# KiCad board EBAZ4205.kicad_pcb (continued)
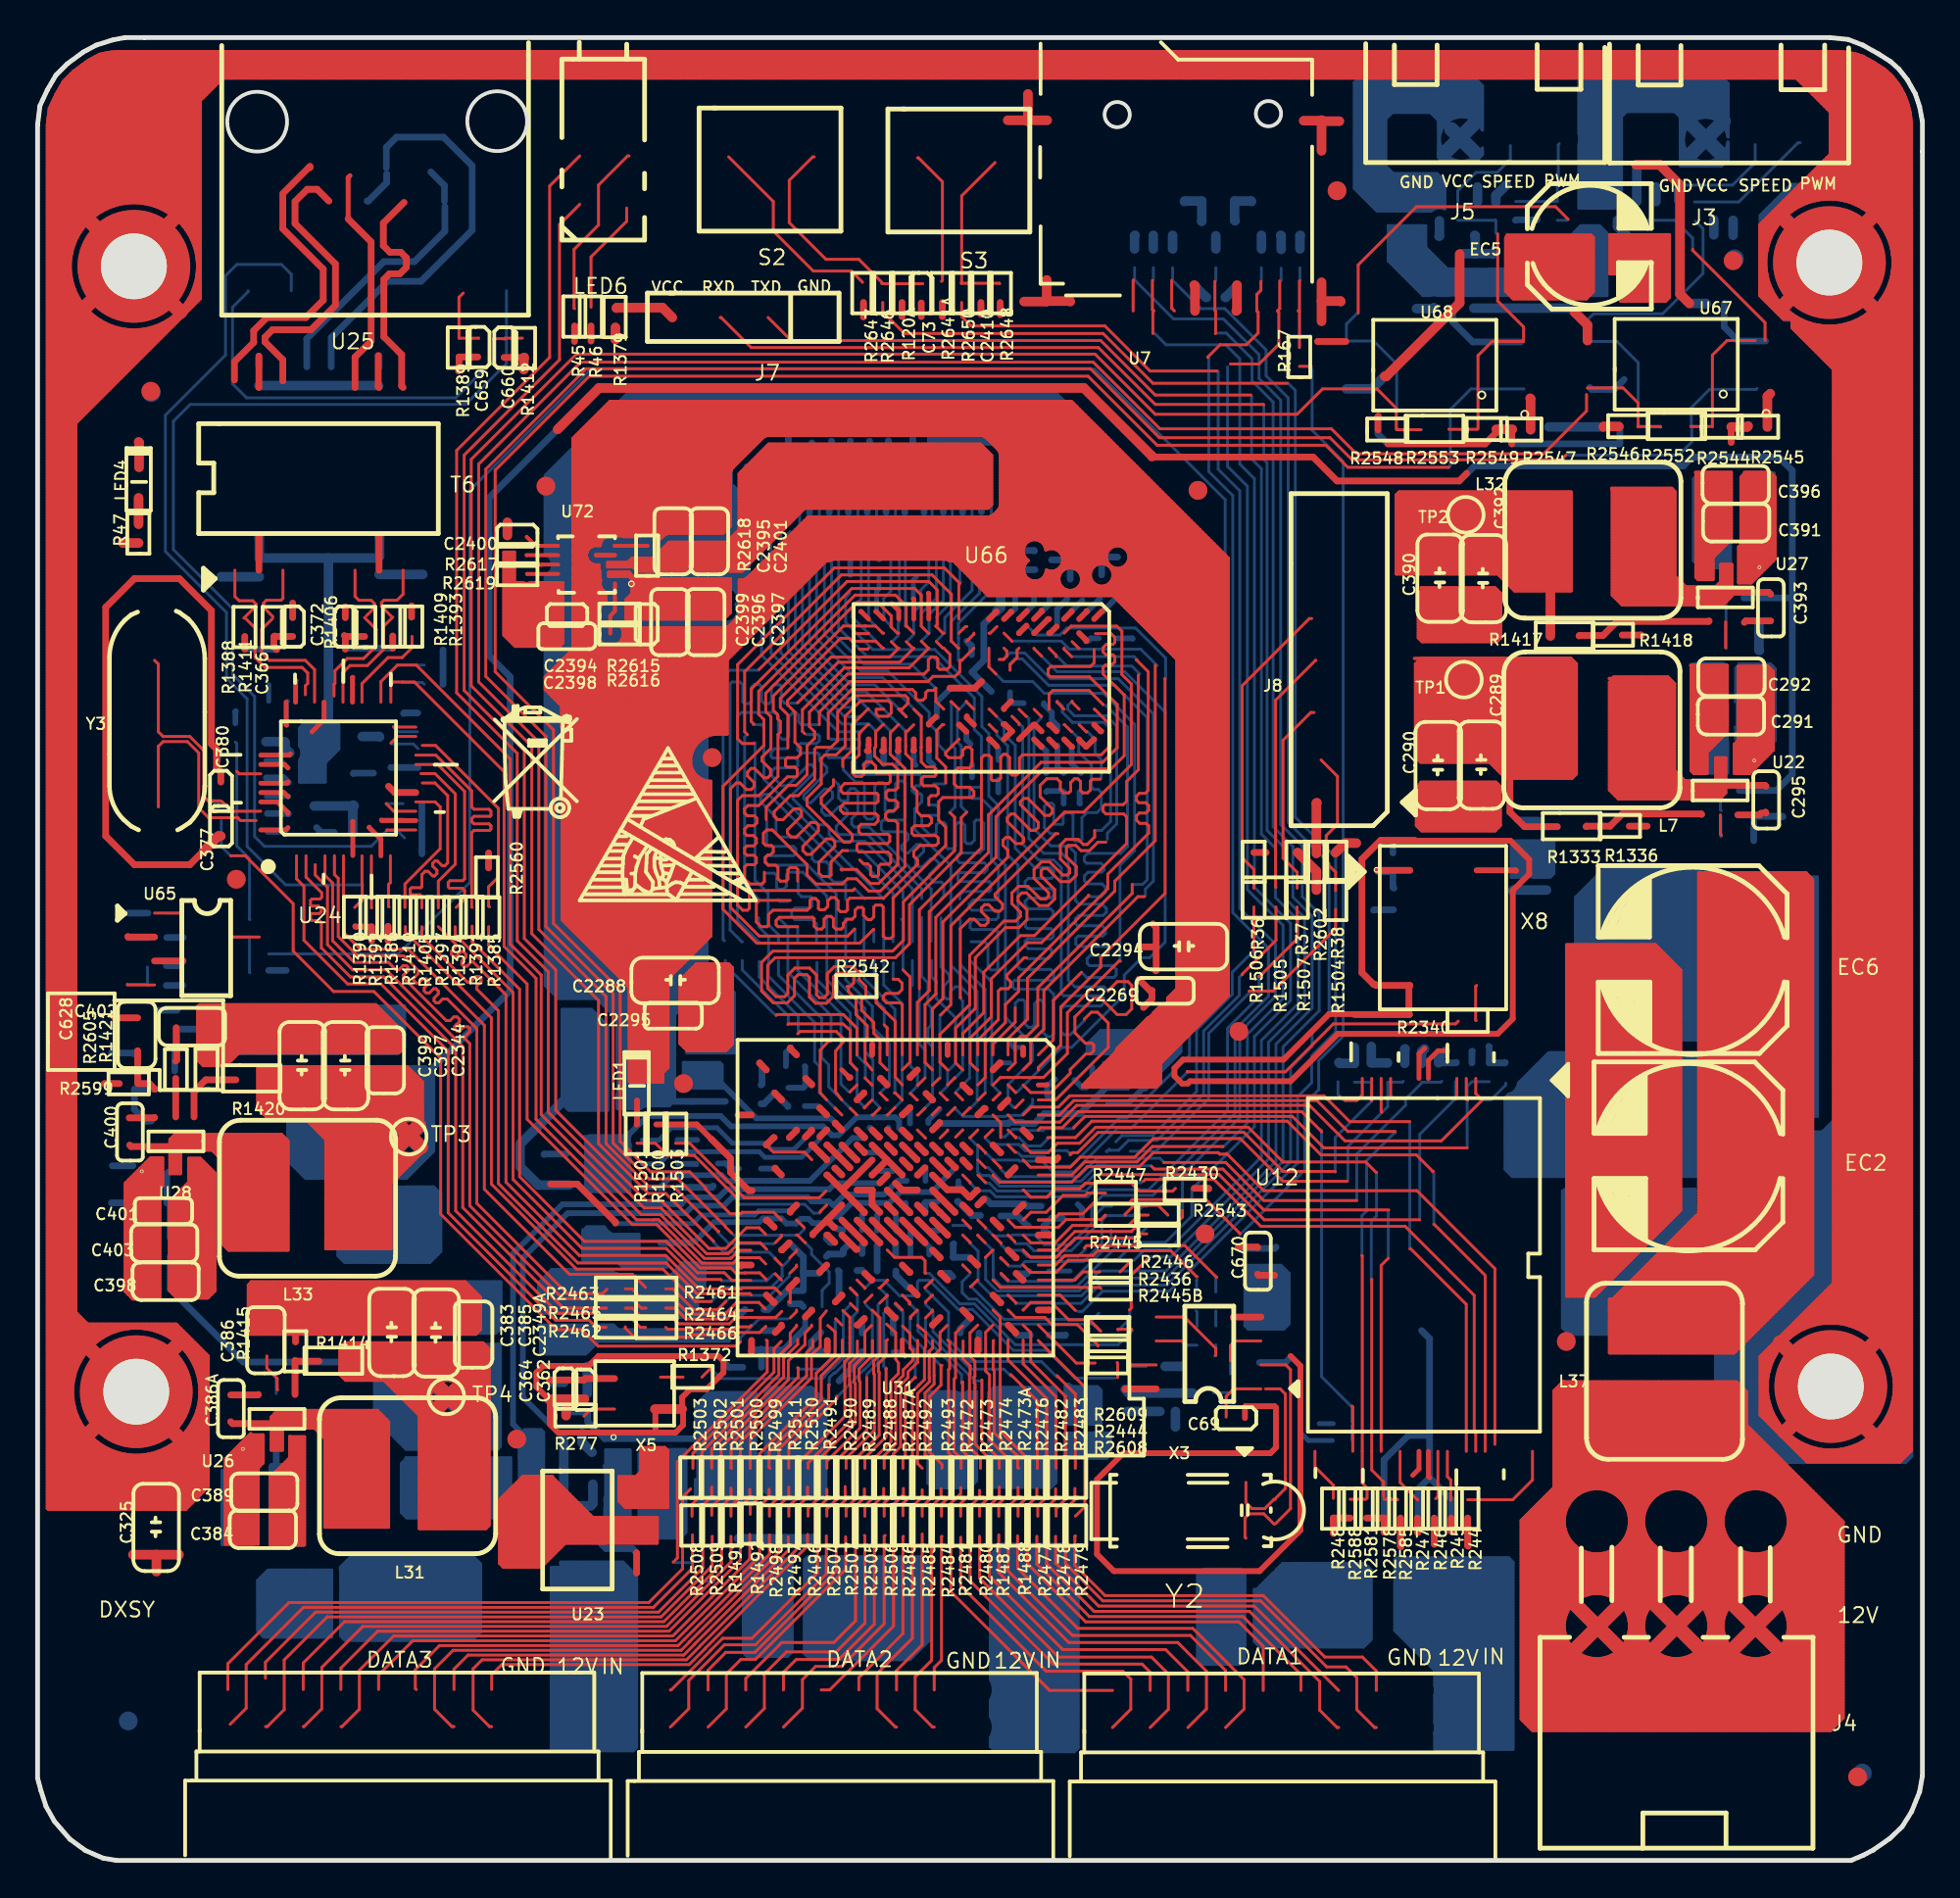
[diagram p0: board, top side]
## Routing (per net, layer and track width the routed paths; a pad name or vN(x,y) marks a point on that pad's centre or on a via; arc(x,y) is an arc through that point) (continued)
99.7,34.72 ; 95.58,59.71 99.7,59.71 ; 1.65,18.69 1.65,94.96 ; 95.58,39.44 99.7,39.44 ; 96.92,88.06 99.7,88.06 ; 8.35,85.9 8.35,96.27 ; 93.91,81.05 99.7,81.05 ; 39.29,94.87 39.29,96.27 ; 13.23,94.87 13.23,96.27 ; 78,94.87 78,96.27 ; 93.72,89.12 99.7,89.12 ; 96.13,21.22 96.13,21.91 ; 26.33,94.87 26.33,96.27 ; 98.4,23.59 99.7,23.59 ; 91.65,85.01 91.96,85.01 ; 6.24,88.06 8.65,88.06 ; 91.65,85.77 92.03,85.77 ; 95.58,34.87 99.7,34.87 ; 0.52,60.78 2.02,60.78 ; 6.34,28.16 7.75,28.16 ; 25.88,94.87 25.88,96.27 ; 97.2,28.12 97.2,82.21 ; 0.52,81.2 6.72,81.2 ; 92.11,23.29 92.64,23.29 ; 95.58,38.53 99.7,38.53 ; 0.52,79.83 5.35,79.83 ; 0.52,34.41 2.02,34.41 ; 90.19,94.87 90.19,96.27 ; 0.52,78.15 3.67,78.15 ; 95.58,48.28 99.7,48.28 ; 95.58,49.35 99.7,49.35 ; 95.58,68.55 99.7,68.55 ; 95.58,76.47 99.7,76.47 ; 49.8,94.87 49.8,96.27 ; 0.52,31.97 2.02,31.97 ; 10.79,94.87 10.79,96.27 ; 85.62,94.87 85.62,96.27 ; 7.44,87.33 7.44,96.27 ; 14.75,94.87 14.75,96.27 ; 56.97,94.87 56.97,96.27 ; 99.18,21.3 99.18,94.28 ; 93.7,21.7 93.7,22.31 ; 0.52,72.05 2.02,72.05 ; 21.76,94.87 21.76,96.27 ; 24.05,94.87 24.05,96.27 ; 0.52,75.1 2.02,75.1 ; 8.51,85.01 8.65,85.01 ; 23.44,94.87 23.44,96.27 ; 95.58,73.88 99.7,73.88 ; 87.6,94.87 87.6,96.27 ; 95.58,67.79 99.7,67.79 ; 16.58,94.87 16.58,96.27 ; 0.52,65.04 2.02,65.04 ; 0.52,90.95 8.65,90.95 ; 81.05,94.87 81.05,96.27 ; 40.81,94.87 40.81,96.27 ; 94.76,28.55 94.76,29.9 ; 7.98,86.69 8.65,86.69 ; 57.88,94.87 57.88,96.27 ; 0.52,28.77 2.42,28.77 ; 8.46,84.25 8.65,84.25 ; 4.39,78.87 4.39,81.54 ; 76.63,94.87 76.63,96.27 ; 0.52,46.15 2.02,46.15 ; 92.17,86.24 92.17,87.57 ; 86.68,94.87 86.68,96.27 ; 0.52,32.28 2.02,32.28 ; 0.52,24.96 1.86,24.96 ; 6.22,28.2 6.22,28.54 ; 0.52,23.29 2.29,23.29 ; 22.52,94.87 22.52,96.27 ; 97.96,21.22 97.96,22.97 ; 96.29,88.31 96.29,96.24 ; 71.6,94.87 71.6,96.27 ; 4.24,18.69 4.24,21.71 ; 31.21,94.87 31.21,96.27 ; 5.61,88.21 5.61,96.27 ; 0.52,23.59 2.14,23.59 ; 20.7,94.87 20.7,96.27 ; 8.59,24.35 9.07,24.35 ; 33.8,94.87 33.8,96.27 ; 0.52,65.2 2.02,65.2 ; 97.35,87.79 97.35,95.9 ; 0.52,57.42 2.02,57.42 ; 0.52,80.13 5.65,80.13 ; 95.58,72.66 99.7,72.66 ; 11.7,94.87 11.7,96.27 ; 95.4,91.87 99.7,91.87 ; 8.47,26.03 9.07,26.03 ; 98.73,84.7 99.7,84.7 ; 0.52,19.32 8.5,19.32 ; 0.52,63.98 2.02,63.98 ; 12.31,94.87 12.31,96.27 ; 23.13,94.87 23.13,96.27 ; 94.3,88.28 94.3,89.71 ; 2.71,77.19 2.71,82.46 ; 97.59,87.6 99.7,87.6 ; 94.32,94.15 99.25,94.15 ; 0.52,27.86 3.5,27.86 ; 95.58,64.43 99.7,64.43 ; 3.47,77.95 3.47,81.88 ; 91.68,25.73 92.07,25.73 ; 0.52,83.79 1.9,83.79 ; 55.44,94.87 55.44,96.27 ; 6.07,88.11 6.07,96.27 ; 0.91,93.85 8.82,93.85 ; 7.59,87.18 7.59,96.27 ; 7.13,27.77 7.13,28.54 ; 81.96,94.87 81.96,96.27 ; 46.45,94.87 46.45,96.27 ; 8.15,86.38 8.65,86.38 ; 61.23,94.87 61.23,96.27 ; 93.7,88.01 93.7,89.1 ; 95.58,76.32 99.7,76.32 ; 86.38,94.87 86.38,96.27 ; 73.73,94.87 73.73,96.27 ; 0.52,25.27 1.87,25.27 ; 6.37,28.15 6.37,28.54 ; 96.59,28.41 96.59,81.89 ; 0.52,91.71 8.65,91.71 ; 95.58,43.1 99.7,43.1 ; 0.52,67.48 2.02,67.48 ; 95.58,76.02 99.7,76.02 ; 4.69,88.22 4.69,96.27 ; 91.65,86.38 92.23,86.38 ; 8.35,26.33 9.07,26.33 ; 0.52,44.47 2.02,44.47 ; 94,94.48 94,96.27 ; 36.7,94.87 36.7,96.27 ; 19.63,94.87 19.63,96.27 ; 0.52,20.39 9.07,20.39 ; 7.89,18.72 7.89,22.82 ; 10.48,94.87 10.48,96.27 ; 0.52,90.8 8.65,90.8 ; 0.52,76.47 2.02,76.47 ; 27.86,94.87 27.86,96.27 ; 94.82,80.13 99.7,80.13 ; 0.52,44.62 2.02,44.62 ; 68.7,94.87 68.7,96.27 ; 95.58,50.11 99.7,50.11 ; 97.97,22.98 99.7,22.98 ; 0.52,62.76 2.02,62.76 ; 0.52,57.73 2.02,57.73 ; 95.58,72.82 99.7,72.82 ; 98.72,21.22 98.72,24.43 ; 3.78,87.97 3.78,96.23 ; 61.84,94.87 61.84,96.27 ; 3.17,27.63 3.17,28.54 ; 37.31,94.87 37.31,96.27 ; 0.52,28.16 4.16,28.16 ; 0.52,87.75 3.37,87.75 ; 95.58,40.81 99.7,40.81 ; 92.87,28.01 93.49,28.01 ; 57.12,94.87 57.12,96.27 ; 0.52,38.83 2.02,38.83 ; 80.13,94.87 80.13,96.27 ; 95.58,56.05 99.7,56.05 ; 81.66,94.87 81.66,96.27 ; 0.52,90.19 8.65,90.19 ; 0.52,58.8 2.02,58.8 ; 95.58,47.98 99.7,47.98 ; 83.79,94.87 83.79,96.27 ; 91.68,25.57 92.05,25.57 ; 93.45,81.5 99.7,81.5 ; 98.31,23.44 99.7,23.44 ; 95.58,35.17 99.7,35.17 ; 63.82,94.87 63.82,96.27 ; 95.58,32.89 99.7,32.89 ; 2.26,18.69 2.26,23.35 ; 0.59,92.93 8.65,92.93 ; 95.58,68.09 99.7,68.09 ; 2.74,95.83 97.48,95.83 ; 15.67,94.87 15.67,96.27 ; 0.52,23.9 2.02,23.9 ; 0.52,89.12 8.65,89.12 ; 41.73,94.87 41.73,96.27 ; 8.1,26.79 9.07,26.79 ; 26.79,94.87 26.79,96.27 ; 95.68,88.43 95.68,96.27 ; 93.37,81.81 94.35,81.81 ; 3.17,87.62 3.17,96.06 ; 4.39,28.23 4.39,28.54 ; 7.6,27.4 8.51,27.4 ; 0.52,29.69 2.02,29.69 ; 3.17,18.69 3.17,22.27 ; 95.58,64.13 99.7,64.13 ; 2.56,87.07 2.56,95.7 ; 0.52,25.88 1.99,25.88 ; 8.61,25.42 9.07,25.42 ; 7.76,86.99 8.65,86.99 ; 0.52,77.24 2.76,77.24 ; 95.58,38.07 99.7,38.07 ; 93.85,88.09 93.85,89.25 ; 3.17,77.65 3.17,82.08 ; 74.95,94.87 74.95,96.27 ; 95.52,21.22 95.52,21.83 ; 0.52,29.84 2.02,29.84 ; 95.58,53.16 99.7,53.16 ; 50.41,94.87 50.41,96.27 ; 0.52,54.83 2.02,54.83 ; 94.46,88.32 94.46,89.86 ; 70.99,94.87 70.99,96.27 ; 95.58,48.89 99.7,48.89 ; 8.35,82.83 8.35,83.8 ; 0.52,21.92 3.73,21.92 ; 97.05,28.21 97.05,82.11 ; 0.52,53.46 2.02,53.46 ; 0.52,88.82 8.65,88.82 ; 0.52,61.39 2.02,61.39 ; 8.51,25.88 9.07,25.88 ; 0.52,35.33 2.02,35.33 ; 4.85,18.69 4.85,21.58 ; 59.41,94.87 59.41,96.27 ; 98.72,26.03 99.7,26.03 ; 0.52,46.3 2.02,46.3 ; 97.57,27.86 99.7,27.86 ; 51.94,94.87 51.94,96.27 ; 92.66,88.06 93.78,88.06 ; 20.09,94.87 20.09,96.27 ; 0.52,52.24 2.02,52.24 ; 0.52,55.14 2.02,55.14 ; 52.39,94.87 52.39,96.27 ; 15.82,94.87 15.82,96.27 ; 93.57,88.97 99.7,88.97 ; 33.65,94.87 33.65,96.27 ; 98.66,24.2 99.7,24.2 ; 0.52,55.29 2.02,55.29 ; 8.56,24.2 9.07,24.2 ; 70.38,94.87 70.38,96.27 ; 8.36,23.59 9.07,23.59 ; 8,26.94 8.97,26.94 ; 45.69,94.87 45.69,96.27 ; 95.58,71.9 99.7,71.9 ; 24.66,94.87 24.66,96.27 ; 0.52,39.44 2.02,39.44 ; 95.58,31.21 99.7,31.21 ; 0.52,19.78 8.96,19.78 ; 48.58,94.87 48.58,96.27 ; 0.52,68.55 2.02,68.55 ; 80.59,94.87 80.59,96.27 ; 0.56,92.63 8.65,92.63 ; 0.52,40.05 2.02,40.05 ; 53,94.87 53,96.27 ; 5.3,28.34 5.3,28.54 ; 3.93,28.08 3.93,28.54 ; 0.52,33.5 2.02,33.5 ; 1.8,18.69 1.8,84.18 ; 70.53,94.87 70.53,96.27 ; 0.52,65.5 2.02,65.5 ; 73.88,94.87 73.88,96.27 ; 49.5,94.87 49.5,96.27 ; 95.58,74.95 99.7,74.95 ; 98.57,26.5 98.57,83.98 ; 5.15,79.63 5.15,81.46 ; 82.42,94.87 82.42,96.27 ; 8.29,23.44 9.07,23.44 ; 0.52,34.26 2.02,34.26 ; 4.69,28.3 4.69,28.54 ; 8.05,82.53 8.05,83.12 ; 0.52,48.59 2.02,48.59 ; 7.88,27.1 8.82,27.1 ; 0.52,25.12 1.86,25.12 ; 0.52,72.66 2.02,72.66 ; 95.58,36.24 99.7,36.24 ; 90.34,94.87 90.34,96.27 ; 42.18,94.87 42.18,96.27 ; 0.52,42.79 2.02,42.79 ; 91.68,24.96 92.04,24.96 ; 52.55,94.87 52.55,96.27 ; 97.05,87.99 97.05,96.06 ; 8.66,19.48 8.66,27.26 ; 27.25,94.87 27.25,96.27 ; 22.68,94.87 22.68,96.27 ; 66.11,94.87 66.11,96.27 ; 0.52,24.51 1.89,24.51 ; 95.58,58.64 99.7,58.64 ; 94,80.95 94,81.94 ; 97.36,28.01 99.7,28.01 ; 92.26,27.4 92.82,27.4 ; 45.38,94.87 45.38,96.27 ; 0.52,63.83 2.02,63.83 ; 95.58,77.69 99.7,77.69 ; 32.89,94.87 32.89,96.27 ; 93.54,81.41 93.54,82.18 ; 58.95,94.87 58.95,96.27 ; 82.27,94.87 82.27,96.27 ; 8.48,23.9 9.07,23.9 ; 7.9,22.83 9.07,22.83 ; 10.94,94.87 10.94,96.27 ; 40.51,94.87 40.51,96.27 ; 0.52,92.32 8.65,92.32 ; 44.93,94.87 44.93,96.27 ; 8.41,26.18 9.07,26.18 ; 0.52,53.92 2.02,53.92 ; 95.4,92.78 99.67,92.78 ; 68.55,94.87 68.55,96.27 ; 83.64,94.87 83.64,96.27 ; 0.52,64.13 2.02,64.13 ; 91.68,25.42 92.04,25.42 ; 95.58,49.8 99.7,49.8 ; 0.52,69.16 2.02,69.16 ; 71.75,94.87 71.75,96.27 ; 95.58,44.62 99.7,44.62 ; 85.77,94.87 85.77,96.27 ; 91.68,26.49 92.27,26.49 ; 50.26,94.87 50.26,96.27 ; 89.28,94.87 89.28,96.27 ; 95.58,61.08 99.7,61.08 ; 94.76,21.22 94.76,21.9 ; 98.44,26.79 99.7,26.79 ; 95.58,46.91 99.7,46.91 ; 76.93,94.87 76.93,96.27 ; 0.52,22.83 2.6,22.83 ; 0.52,43.4 2.02,43.4 ; 95.37,21.22 95.37,21.83 ; 6.83,87.79 6.83,96.27 ; 93.09,22.31 93.09,22.77 ; 95.58,52.24 99.7,52.24 ; 38.07,94.87 38.07,96.27 ; 94.85,29.99 99.7,29.99 ; 2.41,26.8 2.41,28.78 ; 8.34,85.92 8.65,85.92 ; 95.58,72.05 99.7,72.05 ; 16.28,94.87 16.28,96.27 ; 6.83,18.69 6.83,21.95 ; 97.67,82.57 99.7,82.57 ; 95.58,35.02 99.7,35.02 ; 26.49,94.87 26.49,96.27 ; 2.86,18.69 2.86,22.54 ; 38.68,94.87 38.68,96.27 ; 0.52,83.64 1.96,83.64 ; 91.65,83.48 92.34,83.48 ; 95.58,78.3 99.7,78.3 ; 14.29,94.87 14.29,96.27 ; 0.52,69.46 2.02,69.46 ; 78.61,94.87 78.61,96.27 ; 92.56,27.71 93.11,27.71 ; 98.23,86.84 99.7,86.84 ; 2.1,26.22 2.1,29.09 ; 1.45,94.76 9.73,94.76 ; 7.13,87.59 7.13,96.27 ; 95.58,46.3 99.7,46.3 ; 91.65,85.16 91.96,85.16 ; 72.66,94.87 72.66,96.27 ; 0.52,55.44 2.02,55.44 ; 6.98,81.46 6.98,82.01 ; 59.86,94.87 59.86,96.27 ; 62.91,94.87 62.91,96.27 ; 95.58,40.36 99.7,40.36 ; 95.58,39.59 99.7,39.59 ; 98.88,21.22 98.88,94.73 ; 93.78,21.61 99.49,21.61 ; 21,94.87 21,96.27 ; 7.44,27.55 7.44,28.48 ; 91.68,26.64 92.34,26.64 ; 93.37,81.96 93.95,81.96 ; 91.89,87.29 92.8,87.29 ; 0.52,21.61 4.65,21.61 ; 0.52,68.85 2.02,68.85 ; 96.9,88.07 96.9,96.1 ; 82.87,94.87 82.87,96.27 ; 7.63,87.14 8.65,87.14 ; 0.52,34.11 2.02,34.11 ; 95.58,65.2 99.7,65.2 ; 95.58,53.31 99.7,53.31 ; 97.82,82.72 99.7,82.72 ; 0.52,28.93 2.27,28.93 ; 5.91,28.28 5.91,28.54 ; 0.52,43.1 2.02,43.1 ; 91.68,24.81 92.06,24.81 ; 1.25,94.46 9.43,94.46 ; 40.36,94.87 40.36,96.27 ; 97.35,28.02 97.35,82.31 ; 42.49,94.87 42.49,96.27 ; 0.52,47.06 2.02,47.06 ; 75.71,94.87 75.71,96.27 ; 91.68,23.74 92.37,23.74 ; 98.53,86.23 99.7,86.23 ; 45.99,94.87 45.99,96.27 ; 2.1,86.39 2.1,95.37 ; 97.96,27.48 97.96,82.88 ; 92.35,87.75 93.3,87.75 ; 92.32,26.6 92.32,27.46 ; 0.52,51.48 2.02,51.48 ; 78.46,94.87 78.46,96.27 ; 93.54,28.05 93.54,28.68 ; 95.58,79.22 99.7,79.22 ; 91.68,25.27 92.03,25.27 ; 0.52,86.38 2.1,86.38 ; 65.65,94.87 65.65,96.27 ; 98.21,23.29 99.7,23.29 ; 57.42,94.87 57.42,96.27 ; 2.1,18.69 2.1,23.68 ; 4.37,96.27 95.75,96.27 ; 55.9,94.87 55.9,96.27 ; 97.9,87.29 99.7,87.29 ; 6.98,27.87 6.98,28.54 ; 94.03,89.43 99.7,89.43 ; 8.81,93.84 8.81,96.27 ; 0.52,77.85 3.37,77.85 ; 8.5,82.98 8.5,84.53 ; 94.17,94.3 99.17,94.3 ; 54.38,94.87 54.38,96.27 ; 95.98,21.22 95.98,21.88 ; 25.57,94.87 25.57,96.27 ; 0.52,81.66 3.98,81.66 ; 95.58,71.6 99.7,71.6 ; 56.05,94.87 56.05,96.27 ; 54.83,94.87 54.83,96.27 ; 95.07,88.43 95.07,90.47 ; 93.6,81.35 99.7,81.35 ; 0.52,81.05 6.57,81.05 ; 95.58,79.07 99.7,79.07 ; 95.58,40.97 99.7,40.97 ; 94.15,88.23 94.15,89.55 ; 72.97,94.87 72.97,96.27 ; 84.7,94.87 84.7,96.27 ; 93.17,22.22 93.85,22.22 ; 91.68,23.9 92.3,23.9 ; 97.96,82.88 99.7,82.88 ; 8.64,24.96 9.07,24.96 ; 95.25,90.65 99.7,90.65 ; 98.15,27.25 99.7,27.25 ; 90.04,94.87 90.04,96.27 ; 0.52,33.95 2.02,33.95 ; 92.72,27.86 93.28,27.86 ; 96.67,22.07 99.7,22.07 ; 5.61,80.09 5.61,81.49 ; 43.25,94.87 43.25,96.27 ; 87.9,94.87 87.9,96.27 ; 0.57,18.71 7.89,18.71 ; 65.96,94.87 65.96,96.27 ; 1.6,94.91 98.73,94.91 ; 60.62,94.87 60.62,96.27 ; 27.4,94.87 27.4,96.27 ; 92.23,82.72 92.88,82.72 ; 24.81,94.87 24.81,96.27 ; 0.52,33.04 2.02,33.04 ; 95.24,93.24 99.59,93.24 ; 41.57,94.87 41.57,96.27 ; 93.11,88.51 99.7,88.51 ; 92.17,23.22 92.17,24.26 ; 0.52,36.09 2.02,36.09 ; 95.58,32.74 99.7,32.74 ; 7.44,18.69 7.44,22.35 ; 63.22,94.87 63.22,96.27 ; 12.47,94.87 12.47,96.27 ; 97.05,82.11 99.7,82.11 ; 62,94.87 62,96.27 ; 95.58,60.93 99.7,60.93 ; 85.92,94.87 85.92,96.27 ; 8.23,83.48 8.65,83.48 ; 0.52,36.55 2.02,36.55 ; 93.39,87.82 93.39,88.79 ; 0.52,64.74 2.02,64.74 ; 0.52,18.87 8.05,18.87 ; 93.09,27.68 93.09,28.23 ; 0.52,72.97 2.02,72.97 ; 0.52,73.43 2.02,73.43 ; 97.51,87.67 97.51,95.82 ; 60.01,94.87 60.01,96.27 ; 0.77,93.54 8.65,93.54 ; 95.58,44.01 99.7,44.01 ; 5.61,18.69 5.61,21.58 ; 29.84,94.87 29.84,96.27 ; 95.58,45.99 99.7,45.99 ; 18.1,94.87 18.1,96.27 ; 36.39,94.87 36.39,96.27 ; 33.95,94.87 33.95,96.27 ; 95.58,72.51 99.7,72.51 ; 98.28,83.33 99.7,83.33 ; 38.53,94.87 38.53,96.27 ; 97.51,21.22 97.51,22.54 ; 95.4,91.41 99.7,91.41 ; 0.52,88.97 8.65,88.97 ; 79.37,94.87 79.37,96.27 ; 95.58,76.63 99.7,76.63 ; 80.28,94.87 80.28,96.27 ; 7.74,27.25 7.74,28.17 ; 98.59,86.08 99.7,86.08 ; 89.12,94.87 89.12,96.27 ; 0.52,52.4 2.02,52.4 ; 0.52,50.26 2.02,50.26 ; 93.33,22.07 94.18,22.07 ; 95.58,58.34 99.7,58.34 ; 95.58,53.46 99.7,53.46 ; 79.22,94.87 79.22,96.27 ; 98.7,24.35 99.7,24.35 ; 7.48,87.29 8.65,87.29 ; 36.85,94.87 36.85,96.27 ; 3.78,18.69 3.78,21.89 ; 18.87,94.87 18.87,96.27 ; 95.58,78.15 99.7,78.15 ; 70.68,94.87 70.68,96.27 ; 8.35,26.33 8.35,27.56 ; 2.56,27.02 2.56,28.63 ; 95.58,48.43 99.7,48.43 ; 0.52,78.91 4.43,78.91 ; 28.47,94.87 28.47,96.27 ; 0.52,75.71 2.02,75.71 ; 95.09,93.39 99.55,93.39 ; 8.5,19.33 8.5,23.98 ; 91.65,84.09 92.09,84.09 ; 95.58,56.51 99.7,56.51 ; 5.3,18.69 5.3,21.56 ; 95.58,48.59 99.7,48.59 ; 97.66,27.78 97.66,82.56 ; 78.15,94.87 78.15,96.27 ; 24.96,94.87 24.96,96.27 ; 0.52,23.74 2.08,23.74 ; 0.52,24.05 1.98,24.05 ; 0.52,45.99 2.02,45.99 ; 4.24,28.19 4.24,28.54 ; 95.39,93.09 99.63,93.09 ; 94.76,93.71 94.76,96.27 ; 17.34,94.87 17.34,96.27 ; 83.94,94.87 83.94,96.27 ; 0.52,22.68 2.73,22.68 ; 23.9,94.87 23.9,96.27 ; 59.25,94.87 59.25,96.27 ; 0.52,41.57 2.02,41.57 ; 95.58,54.99 99.7,54.99 ; 51.48,94.87 51.48,96.27 ; 95.58,52.7 99.7,52.7 ; 29.99,94.87 29.99,96.27 ; 95.58,78 99.7,78 ; 2.26,86.66 2.26,95.48 ; 96.75,81.96 99.7,81.96 ; 9.72,94.75 9.72,96.27 ; 95.58,36.55 99.7,36.55 ; 82.72,94.87 82.72,96.27 ; 64.43,94.87 64.43,96.27 ; 0.52,74.8 2.02,74.8 ; 7.88,82.88 8.39,82.88 ; 97.49,82.42 99.7,82.42 ; 95.83,28.59 95.83,81.69 ; 0.52,72.36 2.02,72.36 ; 58.49,94.87 58.49,96.27 ; 92.11,27.25 92.7,27.25 ; 7.28,27.67 7.28,28.54 ; 91.68,25.12 92.03,25.12 ; 95.58,49.96 99.7,49.96 ; 94.61,28.52 94.61,29.75 ; 3.63,18.69 3.63,21.97 ; 99.64,21.76 99.64,93.01 ; 95.58,73.58 99.7,73.58 ; 43.4,94.87 43.4,96.27 ; 95.4,92.93 99.65,92.93 ; 0.52,46.91 2.02,46.91 ; 94.15,80.8 94.15,81.87 ; 44.77,94.87 44.77,96.27 ; 1.19,18.69 1.19,94.36 ; 1.04,18.69 1.04,94.09 ; 51.18,94.87 51.18,96.27 ; 45.23,94.87 45.23,96.27 ; 95.58,33.8 99.7,33.8 ; 95.58,58.19 99.7,58.19 ; 8.05,26.87 8.05,27.87 ; 2.32,95.52 97.99,95.52 ; 95.58,31.36 99.7,31.36 ; 98.42,26.82 98.42,83.6 ; 3.32,18.69 3.32,22.16 ; 95.58,32.28 99.7,32.28 ; 10.03,94.87 10.03,96.27 ; 0.52,77.08 2.6,77.08 ; 6.91,81.96 7.48,81.96 ; 88.36,94.87 88.36,96.27 ; 97.66,87.54 97.66,95.73 ; 0.52,61.69 2.02,61.69 ; 8.63,25.27 9.07,25.27 ; 95.58,77.24 99.7,77.24 ; 0.52,53.16 2.02,53.16 ; 7.28,18.69 7.28,22.23 ; 0.52,26.18 2.09,26.18 ; 93.54,94.87 93.54,96.27 ; 37.92,94.87 37.92,96.27 ; 0.52,50.72 2.02,50.72 ; 86.23,94.87 86.23,96.27 ; 95.58,66.87 99.7,66.87 ; 95.58,68.4 99.7,68.4 ; 8.52,84.7 8.65,84.7 ; 3.02,18.69 3.02,22.39 ; 95.58,59.41 99.7,59.41 ; 20.39,94.87 20.39,96.27 ; 53.46,94.87 53.46,96.27 ; 95.58,57.42 99.7,57.42 ; 44.47,94.87 44.47,96.27 ; 0.52,66.87 2.02,66.87 ; 91.74,87.14 92.68,87.14 ; 3.32,77.8 3.32,81.97 ; 7.28,81.76 7.28,82.23 ; 94.46,21.22 94.46,21.97 ; 5.3,79.78 5.3,81.46 ; 95.58,55.44 99.7,55.44 ; 0.52,44.01 2.02,44.01 ; 0.52,53 2.02,53 ; 95.37,79.58 95.37,81.66 ; 0.52,54.22 2.02,54.22 ; 0.52,37 2.02,37 ; 6.83,81.31 6.83,81.91 ; 98.74,85.16 99.7,85.16 ; 0.52,29.23 2.02,29.23 ; 0.52,59.71 2.02,59.71 ; 0.52,29.08 2.11,29.08 ; 0.52,65.96 2.02,65.96 ; 95.58,62.91 99.7,62.91 ; 95.58,58.03 99.7,58.03 ; 0.52,46.6 2.02,46.6 ; 0.52,75.26 2.02,75.26 ; 0.52,42.49 2.02,42.49 ; 7.44,81.92 7.44,82.37 ; 97.12,28.16 99.7,28.16 ; 95.58,78.76 99.7,78.76 ; 92.93,27.53 92.93,28.07 ; 3.63,27.93 3.63,28.54 ; 95.58,38.37 99.7,38.37 ; 0.52,39.14 2.02,39.14 ; 0.52,49.19 2.02,49.19 ; 95.58,65.35 99.7,65.35 ; 95.46,30.6 99.7,30.6 ; 69.16,94.87 69.16,96.27 ; 92.17,26.19 92.17,27.31 ; 38.22,94.87 38.22,96.27 ; 97.48,22.52 99.7,22.52 ; 91.87,23.53 91.87,27.01 ; 95.07,93.41 95.07,96.27 ; 8.96,19.78 8.96,26.95 ; 98.61,84.09 99.7,84.09 ; 94.15,94.32 94.15,96.27 ; 0.52,85.31 1.76,85.31 ; 95.22,28.61 95.22,30.36 ; 95.58,67.33 99.7,67.33 ; 93.76,81.2 99.7,81.2 ; 94.76,88.39 94.76,90.16 ; 3.02,77.5 3.02,82.19 ; 0.52,64.28 2.02,64.28 ; 8.96,93.99 8.96,96.27 ; 95.58,50.87 99.7,50.87 ; 21.91,94.87 21.91,96.27 ; 8.49,85.31 8.65,85.31 ; 4.24,78.72 4.24,81.57 ; 94.91,21.22 94.91,21.87 ; 95.58,33.5 99.7,33.5 ; 98.27,21.22 98.27,23.37 ; 95.58,34.41 99.7,34.41 ; 95.58,51.02 99.7,51.02 ; 95.58,57.88 99.7,57.88 ; 23.59,94.87 23.59,96.27 ; 94.24,29.38 99.7,29.38 ; 79.67,94.87 79.67,96.27 ; 7.46,22.37 9.07,22.37 ; 0.52,45.08 2.02,45.08 ; 0.52,48.13 2.02,48.13 ; 6.67,18.69 6.67,21.87 ; 8.2,19.02 8.2,23.27 ; 98.57,21.22 98.57,23.95 ; 5.91,88.15 5.91,96.27 ; 92.78,94.87 92.78,96.27 ; 0.52,28.47 7.45,28.47 ; 95.58,66.11 99.7,66.11 ; 0.52,70.84 2.02,70.84 ; 12.77,94.87 12.77,96.27 ; 0.52,85.16 1.75,85.16 ; 54.53,94.87 54.53,96.27 ; 1.07,94.15 9.12,94.15 ; 95.58,65.81 99.7,65.81 ; 99.33,21.45 99.33,93.98 ; 0.52,63.22 2.02,63.22 ; 0.52,27.1 2.62,27.1 ; 8.42,23.74 9.07,23.74 ; 98.56,83.94 99.7,83.94 ; 86.08,94.87 86.08,96.27 ; 8.2,26.63 8.2,27.72 ; 66.57,94.87 66.57,96.27 ; 0.52,44.17 2.02,44.17 ; 95.13,79.83 99.7,79.83 ; 51.33,94.87 51.33,96.27 ; 28.16,94.87 28.16,96.27 ; 0.52,36.7 2.02,36.7 ; 95.58,73.73 99.7,73.73 ; 0.52,59.25 2.02,59.25 ; 0.52,64.43 2.02,64.43 ; 95.58,65.96 99.7,65.96 ; 8.66,93.68 8.66,96.27 ; 0.52,76.63 2.15,76.63 ; 91.68,24.05 92.24,24.05 ; 95.58,67.48 99.7,67.48 ; 98.13,86.99 99.7,86.99 ; 98.61,24.05 99.7,24.05 ; 47.21,94.87 47.21,96.27 ; 55.75,94.87 55.75,96.27 ; 92.32,23.07 92.32,23.85 ; 95.58,35.78 99.7,35.78 ; 0.52,38.07 2.02,38.07 ; 94.46,94.02 94.46,96.27 ; 92.38,82.57 93.03,82.57 ; 6.83,27.95 6.83,28.54 ; 95.58,70.99 99.7,70.99 ; 93.94,29.08 99.7,29.08 ; 0.52,60.02 2.02,60.02 ; 0.52,30.14 2.02,30.14 ; 7.89,86.81 7.89,96.27 ; 92.48,22.92 92.48,23.55 ; 98.11,27.29 98.11,83.08 ; 16.43,94.87 16.43,96.27 ; 95.58,54.83 99.7,54.83 ; 0.52,30.3 2.02,30.3 ; 7.77,82.72 8.24,82.72 ; 59.56,94.87 59.56,96.27 ; 98.03,27.4 99.7,27.4 ; 98.68,26.18 99.7,26.18 ; 29.53,94.87 29.53,96.27 ; 4.54,28.27 4.54,28.54 ; 98.4,86.53 99.7,86.53 ; 85.16,94.87 85.16,96.27 ; 21.46,94.87 21.46,96.27 ; 93.94,21.46 99.34,21.46 ; 91.71,23.68 91.71,26.86 ; 67.33,94.87 67.33,96.27 ; 74.8,94.87 74.8,96.27 ; 95.58,45.54 99.7,45.54 ; 0.52,27.25 2.75,27.25 ; 93.7,28.14 93.7,28.84 ; 0.52,49.8 2.02,49.8 ; 0.52,74.34 2.02,74.34 ; 0.52,84.25 1.79,84.25 ; 95.58,55.9 99.7,55.9 ; 71.14,94.87 71.14,96.27 ; 29.69,94.87 29.69,96.27 ; 3.47,18.69 3.47,22.06 ; 95.58,75.86 99.7,75.86 ; 66.26,94.87 66.26,96.27 ; 16.12,94.87 16.12,96.27 ; 0.52,80.89 6.41,80.89 ; 94.3,28.43 94.3,29.45 ; 22.37,94.87 22.37,96.27 ; 94,28.31 94,29.14 ; 15.06,94.87 15.06,96.27 ; 56.51,94.87 56.51,96.27 ; 0.52,56.81 2.02,56.81 ; 98.08,83.03 99.7,83.03 ; 95.58,45.38 99.7,45.38 ; 4.39,88.16 4.39,96.27 ; 0.52,44.78 2.02,44.78 ; 73.12,94.87 73.12,96.27 ; 0.52,83.48 2.02,83.48 ; 13.69,94.87 13.69,96.27 ; 95.58,66.42 99.7,66.42 ; 95.58,54.68 99.7,54.68 ; 39.14,94.87 39.14,96.27 ; 0.52,69.92 2.02,69.92 ; 0.52,28.32 4.82,28.32 ; 93.48,21.92 94.68,21.92 ; 99.49,21.61 99.49,93.6 ; 0.52,68.4 2.02,68.4 ; 91.65,84.7 91.97,84.7 ; 52.7,94.87 52.7,96.27 ; 30.75,94.87 30.75,96.27 ; 62.61,94.87 62.61,96.27 ; 95.58,54.07 99.7,54.07 ; 71.29,94.87 71.29,96.27 ; 8.52,24.05 9.07,24.05 ; 21.61,94.87 21.61,96.27 ; 95.58,35.94 99.7,35.94 ; 61.54,94.87 61.54,96.27 ; 0.52,59.86 2.02,59.86 ; 92.02,82.94 92.02,84.4 ; 0.52,90.34 8.65,90.34 ; 96.09,88.36 99.7,88.36 ; 42.03,94.87 42.03,96.27 ; 0.52,31.06 2.02,31.06 ; 0.52,67.18 2.02,67.18 ; 0.52,33.35 2.02,33.35 ; 7.23,27.71 8.21,27.71 ; 7.27,22.22 9.07,22.22 ; 97,22.22 99.7,22.22 ; 0.52,54.68 2.02,54.68 ; 64.89,94.87 64.89,96.27 ; 90.95,94.87 90.95,96.27 ; 0.52,30.6 2.02,30.6 ; 3.78,28.01 3.78,28.54 ; 0.52,83.94 1.86,83.94 ; 8.5,85.17 8.5,96.27 ; 0.52,82.57 2.61,82.57 ; 8.16,83.33 8.65,83.33 ; 92.69,82.27 93.41,82.27 ; 0.52,50.41 2.02,50.41 ; 0.52,89.43 8.65,89.43 ; 3.02,27.51 3.02,28.54 ; 0.52,81.81 3.62,81.81 ; 12.16,94.87 12.16,96.27 ; 0.52,82.72 2.48,82.72 ; 0.52,81.5 4.56,81.5 ; 5,79.48 5,81.46 ; 2.52,95.68 97.75,95.68 ; 81.81,94.87 81.81,96.27 ; 0.52,85.01 1.74,85.01 ; 40.05,94.87 40.05,96.27 ; 47.52,94.87 47.52,96.27 ; 95.58,66.72 99.7,66.72 ; 0.52,88.06 4.01,88.06 ; 95.58,48.74 99.7,48.74 ; 5,28.33 5,28.54 ; 95.58,63.98 99.7,63.98 ; 80.89,94.87 80.89,96.27 ; 3.02,87.51 3.02,95.98 ; 93.24,22.16 93.24,22.63 ; 0.52,73.88 2.02,73.88 ; 54.22,94.87 54.22,96.27 ; 95.58,35.63 99.7,35.63 ; 95.58,47.06 99.7,47.06 ; 91.65,85.31 